# KiCad board px16_regfile.kicad_pcb (continued)
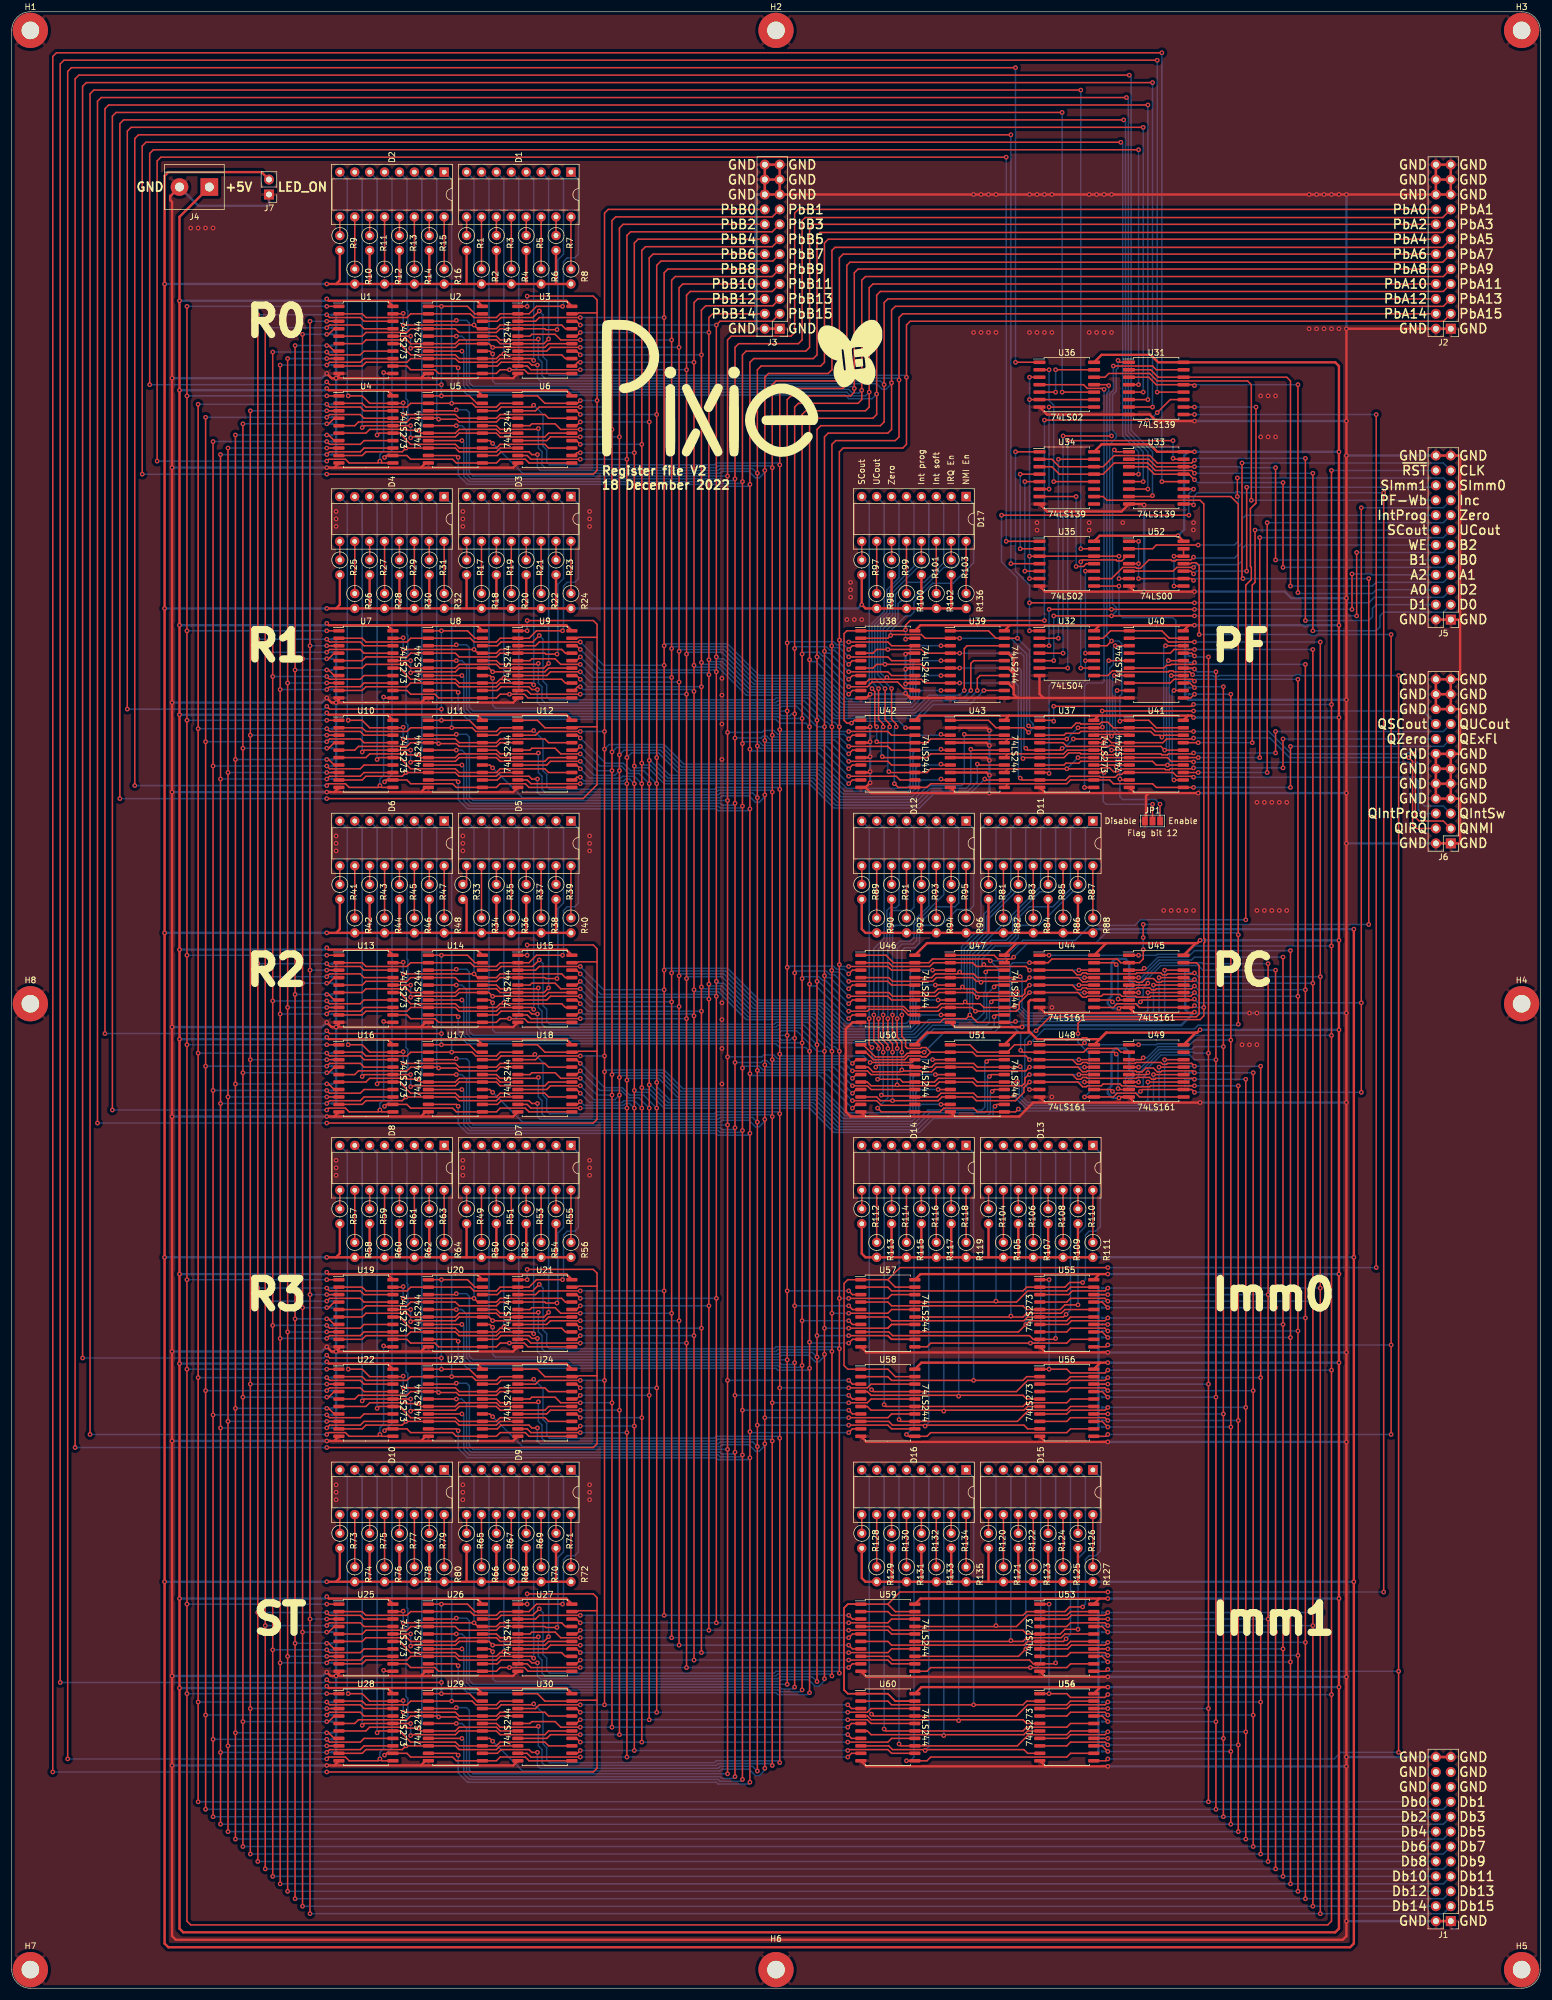
[diagram p0: board, top side]
## Placement (name value [footprint] x y rotation side) (continued)
R28  R  [R_Axial_DIN0207_L6.3mm_D2.5mm_P2.54mm_Vertical]  63.5 237.49 270 top
R29  R  [R_Axial_DIN0207_L6.3mm_D2.5mm_P2.54mm_Vertical]  66.04 243.21 270 top
R30  R  [R_Axial_DIN0207_L6.3mm_D2.5mm_P2.54mm_Vertical]  68.58 237.49 270 top
R31  R  [R_Axial_DIN0207_L6.3mm_D2.5mm_P2.54mm_Vertical]  71.12 243.21 270 top
R32  R  [R_Axial_DIN0207_L6.3mm_D2.5mm_P2.54mm_Vertical]  73.66 237.49 270 top
R33  R  [R_Axial_DIN0207_L6.3mm_D2.5mm_P2.54mm_Vertical]  76.84 187.96 270 top
R34  R  [R_Axial_DIN0207_L6.3mm_D2.5mm_P2.54mm_Vertical]  80.01 182.25 270 top
R35  R  [R_Axial_DIN0207_L6.3mm_D2.5mm_P2.54mm_Vertical]  82.55 187.96 270 top
R36  R  [R_Axial_DIN0207_L6.3mm_D2.5mm_P2.54mm_Vertical]  85.09 182.25 270 top
R37  R  [R_Axial_DIN0207_L6.3mm_D2.5mm_P2.54mm_Vertical]  87.63 187.96 270 top
R38  R  [R_Axial_DIN0207_L6.3mm_D2.5mm_P2.54mm_Vertical]  90.17 182.25 270 top
R39  R  [R_Axial_DIN0207_L6.3mm_D2.5mm_P2.54mm_Vertical]  92.71 187.96 270 top
R40  R  [R_Axial_DIN0207_L6.3mm_D2.5mm_P2.54mm_Vertical]  95.25 182.25 270 top
R41  R  [R_Axial_DIN0207_L6.3mm_D2.5mm_P2.54mm_Vertical]  55.88 187.96 270 top
R42  R  [R_Axial_DIN0207_L6.3mm_D2.5mm_P2.54mm_Vertical]  58.42 182.25 270 top
R43  R  [R_Axial_DIN0207_L6.3mm_D2.5mm_P2.54mm_Vertical]  60.96 187.96 270 top
R44  R  [R_Axial_DIN0207_L6.3mm_D2.5mm_P2.54mm_Vertical]  63.5 182.25 270 top
R45  R  [R_Axial_DIN0207_L6.3mm_D2.5mm_P2.54mm_Vertical]  66.04 187.96 270 top
R46  R  [R_Axial_DIN0207_L6.3mm_D2.5mm_P2.54mm_Vertical]  68.58 182.25 270 top
R47  R  [R_Axial_DIN0207_L6.3mm_D2.5mm_P2.54mm_Vertical]  71.12 187.96 270 top
R48  R  [R_Axial_DIN0207_L6.3mm_D2.5mm_P2.54mm_Vertical]  73.66 182.25 270 top
R49  R  [R_Axial_DIN0207_L6.3mm_D2.5mm_P2.54mm_Vertical]  77.47 132.72 270 top
R50  R  [R_Axial_DIN0207_L6.3mm_D2.5mm_P2.54mm_Vertical]  80.01 127 270 top
R51  R  [R_Axial_DIN0207_L6.3mm_D2.5mm_P2.54mm_Vertical]  82.55 132.72 270 top
R52  R  [R_Axial_DIN0207_L6.3mm_D2.5mm_P2.54mm_Vertical]  85.09 127 270 top
R53  R  [R_Axial_DIN0207_L6.3mm_D2.5mm_P2.54mm_Vertical]  87.63 132.72 270 top
R54  R  [R_Axial_DIN0207_L6.3mm_D2.5mm_P2.54mm_Vertical]  90.17 127 270 top
R55  R  [R_Axial_DIN0207_L6.3mm_D2.5mm_P2.54mm_Vertical]  92.71 132.72 270 top
R56  R  [R_Axial_DIN0207_L6.3mm_D2.5mm_P2.54mm_Vertical]  95.25 127 270 top
R57  R  [R_Axial_DIN0207_L6.3mm_D2.5mm_P2.54mm_Vertical]  55.88 132.72 270 top
R58  R  [R_Axial_DIN0207_L6.3mm_D2.5mm_P2.54mm_Vertical]  58.42 127 270 top
R59  R  [R_Axial_DIN0207_L6.3mm_D2.5mm_P2.54mm_Vertical]  60.96 132.72 270 top
R60  R  [R_Axial_DIN0207_L6.3mm_D2.5mm_P2.54mm_Vertical]  63.5 127 270 top
R61  R  [R_Axial_DIN0207_L6.3mm_D2.5mm_P2.54mm_Vertical]  66.04 132.72 270 top
R62  R  [R_Axial_DIN0207_L6.3mm_D2.5mm_P2.54mm_Vertical]  68.58 127 270 top
R63  R  [R_Axial_DIN0207_L6.3mm_D2.5mm_P2.54mm_Vertical]  71.12 132.72 270 top
R64  R  [R_Axial_DIN0207_L6.3mm_D2.5mm_P2.54mm_Vertical]  73.66 127 270 top
R65  R  [R_Axial_DIN0207_L6.3mm_D2.5mm_P2.54mm_Vertical]  77.47 77.47 270 top
R66  R  [R_Axial_DIN0207_L6.3mm_D2.5mm_P2.54mm_Vertical]  80.01 71.76 270 top
R67  R  [R_Axial_DIN0207_L6.3mm_D2.5mm_P2.54mm_Vertical]  82.55 77.47 270 top
R68  R  [R_Axial_DIN0207_L6.3mm_D2.5mm_P2.54mm_Vertical]  85.09 71.76 270 top
R69  R  [R_Axial_DIN0207_L6.3mm_D2.5mm_P2.54mm_Vertical]  87.63 77.47 270 top
R70  R  [R_Axial_DIN0207_L6.3mm_D2.5mm_P2.54mm_Vertical]  90.17 71.76 270 top
R71  R  [R_Axial_DIN0207_L6.3mm_D2.5mm_P2.54mm_Vertical]  92.71 77.47 270 top
R72  R  [R_Axial_DIN0207_L6.3mm_D2.5mm_P2.54mm_Vertical]  95.25 71.76 270 top
R73  R  [R_Axial_DIN0207_L6.3mm_D2.5mm_P2.54mm_Vertical]  55.88 77.47 270 top
R74  R  [R_Axial_DIN0207_L6.3mm_D2.5mm_P2.54mm_Vertical]  58.42 71.76 270 top
R75  R  [R_Axial_DIN0207_L6.3mm_D2.5mm_P2.54mm_Vertical]  60.96 77.47 270 top
R76  R  [R_Axial_DIN0207_L6.3mm_D2.5mm_P2.54mm_Vertical]  63.5 71.76 270 top
R77  R  [R_Axial_DIN0207_L6.3mm_D2.5mm_P2.54mm_Vertical]  66.04 77.47 270 top
R78  R  [R_Axial_DIN0207_L6.3mm_D2.5mm_P2.54mm_Vertical]  68.58 71.76 270 top
R79  R  [R_Axial_DIN0207_L6.3mm_D2.5mm_P2.54mm_Vertical]  71.12 77.47 270 top
R80  R  [R_Axial_DIN0207_L6.3mm_D2.5mm_P2.54mm_Vertical]  73.66 71.76 270 top
R81  R  [R_Axial_DIN0207_L6.3mm_D2.5mm_P2.54mm_Vertical]  166.37 187.96 270 top
R82  R  [R_Axial_DIN0207_L6.3mm_D2.5mm_P2.54mm_Vertical]  168.91 182.25 270 top
R83  R  [R_Axial_DIN0207_L6.3mm_D2.5mm_P2.54mm_Vertical]  171.45 187.96 270 top
R84  R  [R_Axial_DIN0207_L6.3mm_D2.5mm_P2.54mm_Vertical]  173.99 182.25 270 top
R85  R  [R_Axial_DIN0207_L6.3mm_D2.5mm_P2.54mm_Vertical]  176.53 187.96 270 top
R86  R  [R_Axial_DIN0207_L6.3mm_D2.5mm_P2.54mm_Vertical]  179.07 182.25 270 top
R87  R  [R_Axial_DIN0207_L6.3mm_D2.5mm_P2.54mm_Vertical]  181.61 187.96 270 top
R88  R  [R_Axial_DIN0207_L6.3mm_D2.5mm_P2.54mm_Vertical]  184.15 182.25 270 top
R89  R  [R_Axial_DIN0207_L6.3mm_D2.5mm_P2.54mm_Vertical]  144.78 187.96 270 top
R90  R  [R_Axial_DIN0207_L6.3mm_D2.5mm_P2.54mm_Vertical]  147.32 182.25 270 top
R91  R  [R_Axial_DIN0207_L6.3mm_D2.5mm_P2.54mm_Vertical]  149.86 187.96 270 top
R92  R  [R_Axial_DIN0207_L6.3mm_D2.5mm_P2.54mm_Vertical]  152.4 182.25 270 top
R93  R  [R_Axial_DIN0207_L6.3mm_D2.5mm_P2.54mm_Vertical]  154.94 187.96 270 top
R94  R  [R_Axial_DIN0207_L6.3mm_D2.5mm_P2.54mm_Vertical]  157.48 182.25 270 top
R95  R  [R_Axial_DIN0207_L6.3mm_D2.5mm_P2.54mm_Vertical]  160.02 187.96 270 top
R96  R  [R_Axial_DIN0207_L6.3mm_D2.5mm_P2.54mm_Vertical]  162.56 182.25 270 top
R97  R  [R_Axial_DIN0207_L6.3mm_D2.5mm_P2.54mm_Vertical]  144.78 243.21 270 top
R98  R  [R_Axial_DIN0207_L6.3mm_D2.5mm_P2.54mm_Vertical]  147.32 237.49 270 top
R99  R  [R_Axial_DIN0207_L6.3mm_D2.5mm_P2.54mm_Vertical]  149.86 243.21 270 top
R100  R  [R_Axial_DIN0207_L6.3mm_D2.5mm_P2.54mm_Vertical]  152.4 237.49 270 top
R101  R  [R_Axial_DIN0207_L6.3mm_D2.5mm_P2.54mm_Vertical]  154.94 243.21 270 top
R102  R  [R_Axial_DIN0207_L6.3mm_D2.5mm_P2.54mm_Vertical]  157.48 237.49 270 top
R103  R  [R_Axial_DIN0207_L6.3mm_D2.5mm_P2.54mm_Vertical]  160.02 243.21 270 top
R104  R  [R_Axial_DIN0207_L6.3mm_D2.5mm_P2.54mm_Vertical]  166.37 132.72 270 top
R105  R  [R_Axial_DIN0207_L6.3mm_D2.5mm_P2.54mm_Vertical]  168.91 127 270 top
R106  R  [R_Axial_DIN0207_L6.3mm_D2.5mm_P2.54mm_Vertical]  171.45 132.72 270 top
R107  R  [R_Axial_DIN0207_L6.3mm_D2.5mm_P2.54mm_Vertical]  173.99 127 270 top
R108  R  [R_Axial_DIN0207_L6.3mm_D2.5mm_P2.54mm_Vertical]  176.53 132.72 270 top
R109  R  [R_Axial_DIN0207_L6.3mm_D2.5mm_P2.54mm_Vertical]  179.07 127 270 top
R110  R  [R_Axial_DIN0207_L6.3mm_D2.5mm_P2.54mm_Vertical]  181.61 132.72 270 top
R111  R  [R_Axial_DIN0207_L6.3mm_D2.5mm_P2.54mm_Vertical]  184.15 127 270 top
R112  R  [R_Axial_DIN0207_L6.3mm_D2.5mm_P2.54mm_Vertical]  144.78 132.72 270 top
R113  R  [R_Axial_DIN0207_L6.3mm_D2.5mm_P2.54mm_Vertical]  147.32 127 270 top
R114  R  [R_Axial_DIN0207_L6.3mm_D2.5mm_P2.54mm_Vertical]  149.86 132.72 270 top
R115  R  [R_Axial_DIN0207_L6.3mm_D2.5mm_P2.54mm_Vertical]  152.4 127 270 top
R116  R  [R_Axial_DIN0207_L6.3mm_D2.5mm_P2.54mm_Vertical]  154.94 132.72 270 top
R117  R  [R_Axial_DIN0207_L6.3mm_D2.5mm_P2.54mm_Vertical]  157.48 127 270 top
R118  R  [R_Axial_DIN0207_L6.3mm_D2.5mm_P2.54mm_Vertical]  160.02 132.72 270 top
R119  R  [R_Axial_DIN0207_L6.3mm_D2.5mm_P2.54mm_Vertical]  162.56 127 270 top
R120  R  [R_Axial_DIN0207_L6.3mm_D2.5mm_P2.54mm_Vertical]  166.37 77.47 270 top
R121  R  [R_Axial_DIN0207_L6.3mm_D2.5mm_P2.54mm_Vertical]  168.91 71.76 270 top
R122  R  [R_Axial_DIN0207_L6.3mm_D2.5mm_P2.54mm_Vertical]  171.45 77.47 270 top
R123  R  [R_Axial_DIN0207_L6.3mm_D2.5mm_P2.54mm_Vertical]  173.99 71.76 270 top
R124  R  [R_Axial_DIN0207_L6.3mm_D2.5mm_P2.54mm_Vertical]  176.53 77.47 270 top
R125  R  [R_Axial_DIN0207_L6.3mm_D2.5mm_P2.54mm_Vertical]  179.07 71.76 270 top
R126  R  [R_Axial_DIN0207_L6.3mm_D2.5mm_P2.54mm_Vertical]  181.61 77.47 270 top
R127  R  [R_Axial_DIN0207_L6.3mm_D2.5mm_P2.54mm_Vertical]  184.15 71.76 270 top
R128  R  [R_Axial_DIN0207_L6.3mm_D2.5mm_P2.54mm_Vertical]  144.78 77.47 270 top
R129  R  [R_Axial_DIN0207_L6.3mm_D2.5mm_P2.54mm_Vertical]  147.32 71.76 270 top
R130  R  [R_Axial_DIN0207_L6.3mm_D2.5mm_P2.54mm_Vertical]  149.86 77.47 270 top
R131  R  [R_Axial_DIN0207_L6.3mm_D2.5mm_P2.54mm_Vertical]  152.4 71.76 270 top
R132  R  [R_Axial_DIN0207_L6.3mm_D2.5mm_P2.54mm_Vertical]  154.94 77.47 270 top
R133  R  [R_Axial_DIN0207_L6.3mm_D2.5mm_P2.54mm_Vertical]  157.48 71.76 270 top
R134  R  [R_Axial_DIN0207_L6.3mm_D2.5mm_P2.54mm_Vertical]  160.02 77.47 270 top
R135  R  [R_Axial_DIN0207_L6.3mm_D2.5mm_P2.54mm_Vertical]  162.56 71.76 270 top
R136  R  [R_Axial_DIN0207_L6.3mm_D2.5mm_P2.54mm_Vertical]  162.56 237.49 270 top
U1  74LS273  [SOP-20_7.5x12.8mm_P1.27mm]  60.33 280.67 0 top
U2  74LS244  [SOP-20_7.5x12.8mm_P1.27mm]  75.57 280.67 0 top
U3  74LS244  [SOP-20_7.5x12.8mm_P1.27mm]  90.81 280.67 0 top
U4  74LS273  [SOP-20_7.5x12.8mm_P1.27mm]  60.33 265.43 0 top
U5  74LS244  [SOP-20_7.5x12.8mm_P1.27mm]  75.57 265.43 0 top
U6  74LS244  [SOP-20_7.5x12.8mm_P1.27mm]  90.81 265.43 0 top
U7  74LS273  [SOP-20_7.5x12.8mm_P1.27mm]  60.33 225.43 0 top
U8  74LS244  [SOP-20_7.5x12.8mm_P1.27mm]  75.57 225.43 0 top
U9  74LS244  [SOP-20_7.5x12.8mm_P1.27mm]  90.81 225.43 0 top
U10  74LS273  [SOP-20_7.5x12.8mm_P1.27mm]  60.33 210.19 0 top
U11  74LS244  [SOP-20_7.5x12.8mm_P1.27mm]  75.57 210.19 0 top
U12  74LS244  [SOP-20_7.5x12.8mm_P1.27mm]  90.81 210.19 0 top
U13  74LS273  [SOP-20_7.5x12.8mm_P1.27mm]  60.33 170.18 0 top
U14  74LS244  [SOP-20_7.5x12.8mm_P1.27mm]  75.57 170.18 0 top
U15  74LS244  [SOP-20_7.5x12.8mm_P1.27mm]  90.81 170.18 0 top
U16  74LS273  [SOP-20_7.5x12.8mm_P1.27mm]  60.33 154.94 0 top
U17  74LS244  [SOP-20_7.5x12.8mm_P1.27mm]  75.57 154.94 0 top
U18  74LS244  [SOP-20_7.5x12.8mm_P1.27mm]  90.81 154.94 0 top
U19  74LS273  [SOP-20_7.5x12.8mm_P1.27mm]  60.33 114.94 0 top
U20  74LS244  [SOP-20_7.5x12.8mm_P1.27mm]  75.57 114.94 0 top
U21  74LS244  [SOP-20_7.5x12.8mm_P1.27mm]  90.81 114.94 0 top
U22  74LS273  [SOP-20_7.5x12.8mm_P1.27mm]  60.33 99.7 0 top
U23  74LS244  [SOP-20_7.5x12.8mm_P1.27mm]  75.57 99.7 0 top
U24  74LS244  [SOP-20_7.5x12.8mm_P1.27mm]  90.81 99.7 0 top
U25  74LS273  [SOP-20_7.5x12.8mm_P1.27mm]  60.33 59.69 0 top
U26  74LS244  [SOP-20_7.5x12.8mm_P1.27mm]  75.57 59.69 0 top
U27  74LS244  [SOP-20_7.5x12.8mm_P1.27mm]  90.81 59.69 0 top
U28  74LS273  [SOP-20_7.5x12.8mm_P1.27mm]  60.33 44.45 0 top
U29  74LS244  [SOP-20_7.5x12.8mm_P1.27mm]  75.57 44.45 0 top
U30  74LS244  [SOP-20_7.5x12.8mm_P1.27mm]  90.81 44.45 0 top
U31  74LS139  [SOIC-16W_7.5x10.3mm_P1.27mm]  194.94 272.42 0 top
U32  74LS04  [SOIC-14W_7.5x9mm_P1.27mm]  179.7 227.33 0 top
U33  74LS139  [SOIC-16W_7.5x10.3mm_P1.27mm]  194.94 257.18 0 top
U34  74LS139  [SOIC-16W_7.5x10.3mm_P1.27mm]  179.7 257.18 0 top
U35  74LS02  [SOIC-14W_7.5x9mm_P1.27mm]  179.7 242.57 0 top
U36  74LS02  [SOIC-14W_7.5x9mm_P1.27mm]  179.7 273.05 0 top
U37  74LS273  [SOP-20_7.5x12.8mm_P1.27mm]  179.7 210.19 0 top
U38  74LS244  [SOP-20_7.5x12.8mm_P1.27mm]  149.22 225.43 0 top
U39  74LS244  [SOP-20_7.5x12.8mm_P1.27mm]  164.47 225.43 0 top
U40  74LS244  [SOP-20_7.5x12.8mm_P1.27mm]  194.94 225.43 0 top
U41  74LS244  [SOP-20_7.5x12.8mm_P1.27mm]  194.94 210.19 0 top
U42  74LS244  [SOP-20_7.5x12.8mm_P1.27mm]  149.22 210.19 0 top
U43  74LS244  [SOP-20_7.5x12.8mm_P1.27mm]  164.47 210.19 0 top
U44  74LS161  [SOIC-16W_7.5x10.3mm_P1.27mm]  179.7 171.45 0 top
U45  74LS161  [SOIC-16W_7.5x10.3mm_P1.27mm]  194.94 171.45 0 top
U46  74LS244  [SOP-20_7.5x12.8mm_P1.27mm]  149.22 170.18 0 top
U47  74LS244  [SOP-20_7.5x12.8mm_P1.27mm]  164.47 170.18 0 top
U48  74LS161  [SOIC-16W_7.5x10.3mm_P1.27mm]  179.7 156.21 0 top
U49  74LS161  [SOIC-16W_7.5x10.3mm_P1.27mm]  194.94 156.21 0 top
U50  74LS244  [SOP-20_7.5x12.8mm_P1.27mm]  149.22 154.94 0 top
U51  74LS244  [SOP-20_7.5x12.8mm_P1.27mm]  164.47 154.94 0 top
U52  74LS00  [SOIC-14W_7.5x9mm_P1.27mm]  194.94 242.57 0 top
U53  74LS273  [SOP-20_7.5x12.8mm_P1.27mm]  179.7 59.69 0 top
U54  74LS273  [SOP-20_7.5x12.8mm_P1.27mm]  179.7 44.45 0 top
U55  74LS273  [SOP-20_7.5x12.8mm_P1.27mm]  179.7 114.94 0 top
U56  74LS273  [SOP-20_7.5x12.8mm_P1.27mm]  179.7 99.7 0 top
U57  74LS244  [SOP-20_7.5x12.8mm_P1.27mm]  149.22 114.94 0 top
U58  74LS244  [SOP-20_7.5x12.8mm_P1.27mm]  149.22 99.7 0 top
U59  74LS244  [SOP-20_7.5x12.8mm_P1.27mm]  149.22 59.69 0 top
U60  74LS244  [SOP-20_7.5x12.8mm_P1.27mm]  149.22 44.45 0 top

## Footprints (pads in the part's own frame, mm; a bottom-side part is the same pattern mirrored in y, then rotated)
C_0201_0603Metric
  rrect 0.318x0.36 smd: (-0.345,0) (0.345,0)
  rrect 0.46x0.4 smd: 1(-0.32,0) 2(0.32,0)
DIP-16_W7.62mm_Socket
  rect 1.6x1.6 hole 0.8: 1(0,0)
  oval 1.6x1.6 hole 0.8: 2(0,-2.54) 3(0,-5.08) 4(0,-7.62) 5(0,-10.16) 6(0,-12.7) 7(0,-15.24) 8(0,-17.78) 9(7.62,-17.78) 10(7.62,-15.24) 11(7.62,-12.7) 12(7.62,-10.16) 13(7.62,-7.62) 14(7.62,-5.08) 15(7.62,-2.54) 16(7.62,0)
MountingHole_3mm_Pad
  round 6 hole 3: 1(0,0)
PinHeader_1x02_P2.54mm_Vertical
  rect 1.7x1.7 hole 1: 1(0,0)
  oval 1.7x1.7 hole 1: 2(0,-2.54)
PinHeader_2x12_P2.54mm_Vertical
  rect 1.7x1.7 hole 1: 1(0,0)
  oval 1.7x1.7 hole 1: 2(2.54,0) 3(0,-2.54) 4(2.54,-2.54) 5(0,-5.08) 6(2.54,-5.08) 7(0,-7.62) 8(2.54,-7.62) 9(0,-10.16) 10(2.54,-10.16) 11(0,-12.7) 12(2.54,-12.7) 13(0,-15.24) 14(2.54,-15.24) 15(0,-17.78) 16(2.54,-17.78) 17(0,-20.32) 18(2.54,-20.32) 19(0,-22.86) 20(2.54,-22.86) 21(0,-25.4) 22(2.54,-25.4) 23(0,-27.94) 24(2.54,-27.94)
R_Axial_DIN0207_L6.3mm_D2.5mm_P2.54mm_Vertical
  round 1.6 hole 0.8: 1(0,0)
  oval 1.6x1.6 hole 0.8: 2(2.54,0)
SOIC-14W_7.5x9mm_P1.27mm
  rrect 2.05x0.6 smd: 1(-4.65,3.81) 2(-4.65,2.54) 3(-4.65,1.27) 4(-4.65,0) 5(-4.65,-1.27) 6(-4.65,-2.54) 7(-4.65,-3.81) 8(4.65,-3.81) 9(4.65,-2.54) 10(4.65,-1.27) 11(4.65,0) 12(4.65,1.27) 13(4.65,2.54) 14(4.65,3.81)
SOIC-16W_7.5x10.3mm_P1.27mm
  rrect 2.05x0.6 smd: 1(-4.65,4.445) 2(-4.65,3.175) 3(-4.65,1.905) 4(-4.65,0.635) 5(-4.65,-0.635) 6(-4.65,-1.905) 7(-4.65,-3.175) 8(-4.65,-4.445) 9(4.65,-4.445) 10(4.65,-3.175) 11(4.65,-1.905) 12(4.65,-0.635) 13(4.65,0.635) 14(4.65,1.905) 15(4.65,3.175) 16(4.65,4.445)
SolderJumper-3_P1.3mm_Open_Pad1.0x1.5mm_NumberLabels
  rect 1x1.5 smd: 1(-1.3,0) 2(0,0) 3(1.3,0)
SOP-20_7.5x12.8mm_P1.27mm
  rrect 1.9x0.6 smd: 1(-4.6,5.715) 2(-4.6,4.445) 3(-4.6,3.175) 4(-4.6,1.905) 5(-4.6,0.635) 6(-4.6,-0.635) 7(-4.6,-1.905) 8(-4.6,-3.175) 9(-4.6,-4.445) 10(-4.6,-5.715) 11(4.6,-5.715) 12(4.6,-4.445) 13(4.6,-3.175) 14(4.6,-1.905) 15(4.6,-0.635) 16(4.6,0.635) 17(4.6,1.905) 18(4.6,3.175) 19(4.6,4.445) 20(4.6,5.715)
TerminalBlock_bornier-2_P5.08mm
  rect 3x3 hole 1.52: 1(0,0)
  round 3 hole 1.52: 2(5.08,0)

## Nets
+5V: J4.1 U1.20 U2.20 U3.20 U4.20 U5.20 U6.20 U7.20 U8.20 U9.20 U10.20 U11.20 U12.20 U13.20 U14.20 U15.20 U16.20 U17.20 U18.20 U19.20 U20.20 U21.20 U22.20 U23.20 U24.20 U25.20 U26.20 U27.20 U28.20 U29.20 U30.20 U31.16 U32.14 U33.16 U34.16 U35.14 U36.14 U37.20 U38.20 U39.20 U40.20 U41.20 U42.20 U43.20 U44.7 U44.16 U45.16 U46.20 U47.20 U48.16 U49.16 U50.20 U51.20 U52.14 U53.20 U54.20 U55.20 U56.20 U57.20 U58.20 U59.20 U60.20
GND: C1.2 C2.2 C3.2 C4.2 C5.2 C6.2 C7.2 C8.2 C9.2 C10.2 C11.2 C12.2 C13.2 C14.2 C15.2 C16.2 C17.2 C18.2 C19.2 C20.2 C21.2 C22.2 C23.2 C24.2 C25.2 C26.2 C27.2 C28.2 C29.2 C30.2 C31.2 C32.2 C33.2 C34.2 C35.2 C36.2 C37.2 C38.2 C39.2 C40.2 C41.2 C42.2 C43.2 C44.2 C45.2 C46.2 C47.2 C48.2 C49.2 C50.2 C51.2 C52.2 C53.2 C54.2 C55.2 C56.2 C57.2 C58.2 C59.2 C60.2 C61.2 C62.2 C63.2 C64.2 C65.2 C66.2 C67.2 C68.2 C69.2 C70.2 C71.2 C72.2 C73.2 C74.2 C75.2 C76.2 C77.2 C78.2 C79.2 C80.2 C81.2 C82.2 C83.2 C84.2 C85.2 C86.2 C87.2 C88.2 C89.2 C90.2 C91.2 C92.2 C93.2 C94.2 C95.2 C96.2 C97.2 C98.2 C99.2 C100.2 C101.2 C102.2 C103.2 C104.2 C105.2 C106.2 C107.2 C108.2 C109.2 C110.2 C111.2 C112.2 C113.2 C114.2 C115.2 C116.2 C117.2 C118.2 C119.2 C120.2 C121.2 C122.2 C123.2 C124.2 C125.2 C126.2 C127.2 C128.2 C129.2 C130.2 C131.2 C132.2 C133.2 C134.2 C135.2 C136.2 H1.1 H2.1 H3.1 H4.1 H5.1 H6.1 H7.1 H8.1 J1.1 J1.2 J1.23 J1.24 J2.1 J2.2 J2.19 J2.20 J2.21 J2.22 J2.23 J2.24 J3.1 J3.2 J3.19 J3.20 J3.21 J3.22 J3.23 J3.24 J4.2 J5.1 J5.2 J5.23 J5.24 J6.1 J6.2 J6.7 J6.8 J6.9 J6.10 J6.11 J6.12 J6.13 J6.14 J6.19 J6.20 J6.21 J6.22 J6.23 J6.24 J7.1 JP1.1 U1.10 U2.10 U3.10 U4.10 U5.10 U6.10 U7.10 U8.10 U9.10 U10.10 U11.10 U12.10 U13.10 U14.10 U15.10 U16.10 U17.10 U18.10 U19.10 U20.10 U21.10 U22.10 U23.10 U24.10 U25.10 U26.10 U27.10 U28.10 U29.10 U30.10 U31.8 U32.7 U33.8 U34.8 U35.7 U36.7 U37.10 U38.10 U38.11 U38.13 U38.15 U38.17 U39.10 U39.11 U39.13 U39.15 U39.17 U40.10 U41.10 U42.2 U42.4 U42.6 U42.8 U42.10 U43.2 U43.4 U43.6 U43.8 U43.10 U44.8 U45.8 U46.10 U47.10 U48.8 U49.8 U50.10 U51.10 U52.7 U53.10 U54.10 U55.10 U56.10 U57.10 U58.10 U59.10 U60.10
/A0: J5.6 U31.3 U31.13
/A1: J5.7 U31.2 U31.14
/A2: J5.8 U31.1 U32.3
/B0: J5.9 U33.3 U33.13
/B1: J5.10 U33.2 U33.14
/B2: J5.11 U32.5 U33.1
/CLK: J5.21 U44.2 U45.2 U48.2 U49.2 U52.1 U52.4 U52.9
/D0: J5.3 U34.3 U34.13
/D1: J5.4 U34.2 U34.14
/D2: J5.5 U32.1 U34.1
/Db0: C1.1 C17.1 C33.1 C49.1 C65.1 C81.1 C97.1 C113.1 C129.1 J1.3 U1.3 U7.3 U13.3 U19.3 U25.3 U40.2 U44.3 U53.3 U55.3
/Db1: C2.1 C18.1 C34.1 C50.1 C66.1 C82.1 C98.1 C114.1 C130.1 J1.4 U1.4 U7.4 U13.4 U19.4 U25.4 U40.4 U44.4 U53.4 U55.4
/Db2: C3.1 C19.1 C35.1 C51.1 C67.1 C83.1 C99.1 C115.1 C131.1 J1.5 U1.7 U7.7 U13.7 U19.7 U25.7 U40.6 U44.5 U53.7 U55.7
/Db3: C4.1 C20.1 C36.1 C52.1 C68.1 C84.1 C100.1 C116.1 C132.1 J1.6 U1.8 U7.8 U13.8 U19.8 U25.8 U40.8 U44.6 U53.8 U55.8
/Db4: C5.1 C21.1 C37.1 C53.1 C69.1 C85.1 C101.1 C117.1 J1.7 U1.13 U7.13 U13.13 U19.13 U25.13 U45.3 U53.13 U55.13
/Db5: C6.1 C22.1 C38.1 C54.1 C70.1 C86.1 C102.1 C118.1 J1.8 U1.14 U7.14 U13.14 U19.14 U25.14 U45.4 U53.14 U55.14
/Db6: C7.1 C23.1 C39.1 C55.1 C71.1 C87.1 C103.1 C119.1 J1.9 U1.17 U7.17 U13.17 U19.17 U25.17 U45.5 U53.17 U55.17
/Db7: C8.1 C24.1 C40.1 C56.1 C72.1 C88.1 C104.1 C120.1 J1.10 U1.18 U7.18 U13.18 U19.18 U25.18 U45.6 U53.18 U55.18
/Db8: C9.1 C25.1 C41.1 C57.1 C73.1 C89.1 C105.1 C121.1 J1.11 U4.3 U10.3 U16.3 U22.3 U28.3 U48.3 U54.3 U56.3
/Db9: C10.1 C26.1 C42.1 C58.1 C74.1 C90.1 C106.1 C122.1 J1.12 U4.4 U10.4 U16.4 U22.4 U28.4 U48.4 U54.4 U56.4
/Db10: C11.1 C27.1 C43.1 C59.1 C75.1 C91.1 C107.1 C123.1 J1.13 U4.7 U10.7 U16.7 U22.7 U28.7 U48.5 U54.7 U56.7
/Db11: C12.1 C28.1 C44.1 C60.1 C76.1 C92.1 C108.1 C124.1 J1.14 U4.8 U10.8 U16.8 U22.8 U28.8 U48.6 U54.8 U56.8
/Db12: C13.1 C29.1 C45.1 C61.1 C77.1 C93.1 C109.1 C125.1 C133.1 J1.15 U4.13 U10.13 U16.13 U22.13 U28.13 U40.11 U49.3 U54.13 U56.13
/Db13: C14.1 C30.1 C46.1 C62.1 C78.1 C94.1 C110.1 C126.1 C134.1 J1.16 U4.14 U10.14 U16.14 U22.14 U28.14 U40.13 U49.4 U54.14 U56.14
/Db14: C15.1 C31.1 C47.1 C63.1 C79.1 C95.1 C111.1 C127.1 C135.1 J1.17 U4.17 U10.17 U16.17 U22.17 U28.17 U40.15 U49.5 U54.17 U56.17
/Db15: C16.1 C32.1 C48.1 C64.1 C80.1 C96.1 C112.1 C128.1 C136.1 J1.18 U4.18 U10.18 U16.18 U22.18 U28.18 U40.17 U49.6 U54.18 U56.18
/DExFl: JP1.3 U40.9 U41.9
/DIntProg: U35.8 U40.12 U41.12
/DIntSw: U37.7 U40.14 U41.14
/DIRQ: U37.4 U40.16 U41.16
/DNMI: U37.3 U40.18 U41.18
/DSCout: U37.18 U40.3 U41.3
/DUCout: U37.17 U40.5 U41.5
/DZero: U37.14 U40.7 U41.7
/Imm-WEa: U32.8 U53.11 U54.11
/Imm-WEb: U52.11 U55.11 U56.11
/ImmQa0: D13.1 U55.2 U57.2
/ImmQa1: D13.2 U55.5 U57.4
/ImmQa2: D13.3 U55.6 U57.6
/ImmQa3: D13.4 U55.9 U57.8
/ImmQa4: D13.5 U55.12 U57.11
/ImmQa5: D13.6 U55.15 U57.13
/ImmQa6: D13.7 U55.16 U57.15
/ImmQa7: D13.8 U55.19 U57.17
/ImmQa8: D14.1 U56.2 U58.2
/ImmQa9: D14.2 U56.5 U58.4
/ImmQa10: D14.3 U56.6 U58.6
/ImmQa11: D14.4 U56.9 U58.8
/ImmQa12: D14.5 U56.12 U58.11
/ImmQa13: D14.6 U56.15 U58.13
/ImmQa14: D14.7 U56.16 U58.15
/ImmQa15: D14.8 U56.19 U58.17
/ImmQb0: D15.1 U53.2 U59.2
/ImmQb1: D15.2 U53.5 U59.4
/ImmQb2: D15.3 U53.6 U59.6
/ImmQb3: D15.4 U53.9 U59.8
/ImmQb4: D15.5 U53.12 U59.11
/ImmQb5: D15.6 U53.15 U59.13
/ImmQb6: D15.7 U53.16 U59.15
/ImmQb7: D15.8 U53.19 U59.17
/ImmQb8: D16.1 U54.2 U60.2
/ImmQb9: D16.2 U54.5 U60.4
/ImmQb10: D16.3 U54.6 U60.6
/ImmQb11: D16.4 U54.9 U60.8
/ImmQb12: D16.5 U54.12 U60.11
/ImmQb13: D16.6 U54.15 U60.13
/ImmQb14: D16.7 U54.16 U60.15
/ImmQb15: D16.8 U54.19 U60.17
/Inc: J5.17 U44.10 U45.10 U48.10 U49.10
/IntProg: J5.16 U35.9
/LED_GND: J7.2 R1.2 R2.2 R3.2 R4.2 R5.2 R6.2 R7.2 R8.2 R9.2 R10.2 R11.2 R12.2 R13.2 R14.2 R15.2 R16.2 R17.2 R18.2 R19.2 R20.2 R21.2 R22.2 R23.2 R24.2 R25.2 R26.2 R27.2 R28.2 R29.2 R30.2 R31.2 R32.2 R33.2 R34.2 R35.2 R36.2 R37.2 R38.2 R39.2 R40.2 R41.2 R42.2 R43.2 R44.2 R45.2 R46.2 R47.2 R48.2 R49.2 R50.2 R51.2 R52.2 R53.2 R54.2 R55.2 R56.2 R57.2 R58.2 R59.2 R60.2 R61.2 R62.2 R63.2 R64.2 R65.2 R66.2 R67.2 R68.2 R69.2 R70.2 R71.2 R72.2 R73.2 R74.2 R75.2 R76.2 R77.2 R78.2 R79.2 R80.2 R81.2 R82.2 R83.2 R84.2 R85.2 R86.2 R87.2 R88.2 R89.2 R90.2 R91.2 R92.2 R93.2 R94.2 R95.2 R96.2 R97.2 R98.2 R99.2 R100.2 R101.2 R102.2 R103.2 R104.2 R105.2 R106.2 R107.2 R108.2 R109.2 R110.2 R111.2 R112.2 R113.2 R114.2 R115.2 R116.2 R117.2 R118.2 R119.2 R120.2 R121.2 R122.2 R123.2 R124.2 R125.2 R126.2 R127.2 R128.2 R129.2 R130.2 R131.2 R132.2 R133.2 R134.2 R135.2 R136.2
/PbA0: J2.3 U2.18 U8.18 U14.18 U20.18 U26.18 U38.18 U46.18 U57.18
/PbA1: J2.4 U2.16 U8.16 U14.16 U20.16 U26.16 U38.16 U46.16 U57.16
/PbA2: J2.5 U2.14 U8.14 U14.14 U20.14 U26.14 U38.14 U46.14 U57.14
/PbA3: J2.6 U2.12 U8.12 U14.12 U20.12 U26.12 U38.12 U46.12 U57.12
/PbA4: J2.7 U2.9 U8.9 U14.9 U20.9 U26.9 U38.9 U46.9 U57.9
/PbA5: J2.8 U2.7 U8.7 U14.7 U20.7 U26.7 U38.7 U46.7 U57.7
/PbA6: J2.9 U2.5 U8.5 U14.5 U20.5 U26.5 U38.5 U46.5 U57.5
/PbA7: J2.10 U2.3 U8.3 U14.3 U20.3 U26.3 U38.3 U46.3 U57.3
/PbA8: J2.11 U5.18 U11.18 U17.18 U23.18 U29.18 U42.18 U50.18 U58.18
/PbA9: J2.12 U5.16 U11.16 U17.16 U23.16 U29.16 U42.16 U50.16 U58.16
/PbA10: J2.13 U5.14 U11.14 U17.14 U23.14 U29.14 U42.14 U50.14 U58.14
/PbA11: J2.14 U5.12 U11.12 U17.12 U23.12 U29.12 U42.12 U50.12 U58.12
/PbA12: J2.15 U5.9 U11.9 U17.9 U23.9 U29.9 U42.9 U50.9 U58.9
/PbA13: J2.16 U5.7 U11.7 U17.7 U23.7 U29.7 U42.7 U50.7 U58.7
/PbA14: J2.17 U5.5 U11.5 U17.5 U23.5 U29.5 U42.5 U50.5 U58.5
/PbA15: J2.18 U5.3 U11.3 U17.3 U23.3 U29.3 U42.3 U50.3 U58.3
/PbB0: J3.3 U3.18 U9.18 U15.18 U21.18 U27.18 U39.18 U47.18 U59.18
/PbB1: J3.4 U3.16 U9.16 U15.16 U21.16 U27.16 U39.16 U47.16 U59.16
/PbB2: J3.5 U3.14 U9.14 U15.14 U21.14 U27.14 U39.14 U47.14 U59.14
/PbB3: J3.6 U3.12 U9.12 U15.12 U21.12 U27.12 U39.12 U47.12 U59.12
/PbB4: J3.7 U3.9 U9.9 U15.9 U21.9 U27.9 U39.9 U47.9 U59.9
/PbB5: J3.8 U3.7 U9.7 U15.7 U21.7 U27.7 U39.7 U47.7 U59.7
/PbB6: J3.9 U3.5 U9.5 U15.5 U21.5 U27.5 U39.5 U47.5 U59.5
/PbB7: J3.10 U3.3 U9.3 U15.3 U21.3 U27.3 U39.3 U47.3 U59.3
/PbB8: J3.11 U6.18 U12.18 U18.18 U24.18 U30.18 U43.18 U51.18 U60.18
/PbB9: J3.12 U6.16 U12.16 U18.16 U24.16 U30.16 U43.16 U51.16 U60.16
/PbB10: J3.13 U6.14 U12.14 U18.14 U24.14 U30.14 U43.14 U51.14 U60.14
/PbB11: J3.14 U6.12 U12.12 U18.12 U24.12 U30.12 U43.12 U51.12 U60.12
/PbB12: J3.15 U6.9 U12.9 U18.9 U24.9 U30.9 U43.9 U51.9 U60.9
/PbB13: J3.16 U6.7 U12.7 U18.7 U24.7 U30.7 U43.7 U51.7 U60.7
/PbB14: J3.17 U6.5 U12.5 U18.5 U24.5 U30.5 U43.5 U51.5 U60.5
/PbB15: J3.18 U6.3 U12.3 U18.3 U24.3 U30.3 U43.3 U51.3 U60.3
/PCQ0: D11.1 U44.14 U46.2 U47.2
/PCQ1: D11.2 U44.13 U46.4 U47.4
/PCQ2: D11.3 U44.12 U46.6 U47.6
/PCQ3: D11.4 U44.11 U46.8 U47.8
/PCQ4: D11.5 U45.14 U46.11 U47.11
/PCQ5: D11.6 U45.13 U46.13 U47.13
/PCQ6: D11.7 U45.12 U46.15 U47.15
/PCQ7: D11.8 U45.11 U46.17 U47.17
/PCQ8: D12.1 U48.14 U50.2 U51.2
/PCQ9: D12.2 U48.13 U50.4 U51.4
/PCQ10: D12.3 U48.12 U50.6 U51.6